# Altium PCB Mother  Board.PcbDoc (part 2 of 4)
Units mil, origin at the board's own origin, x right, y up, seen from the top; angles counter-clockwise.
Board outline 4560 x 3740 mil, 4 copper layers (Signal 1, GND, Power, Signal 2), stack 47.091 mil thick; 315 components, 464 nets, 1661 pads, 728 vias.
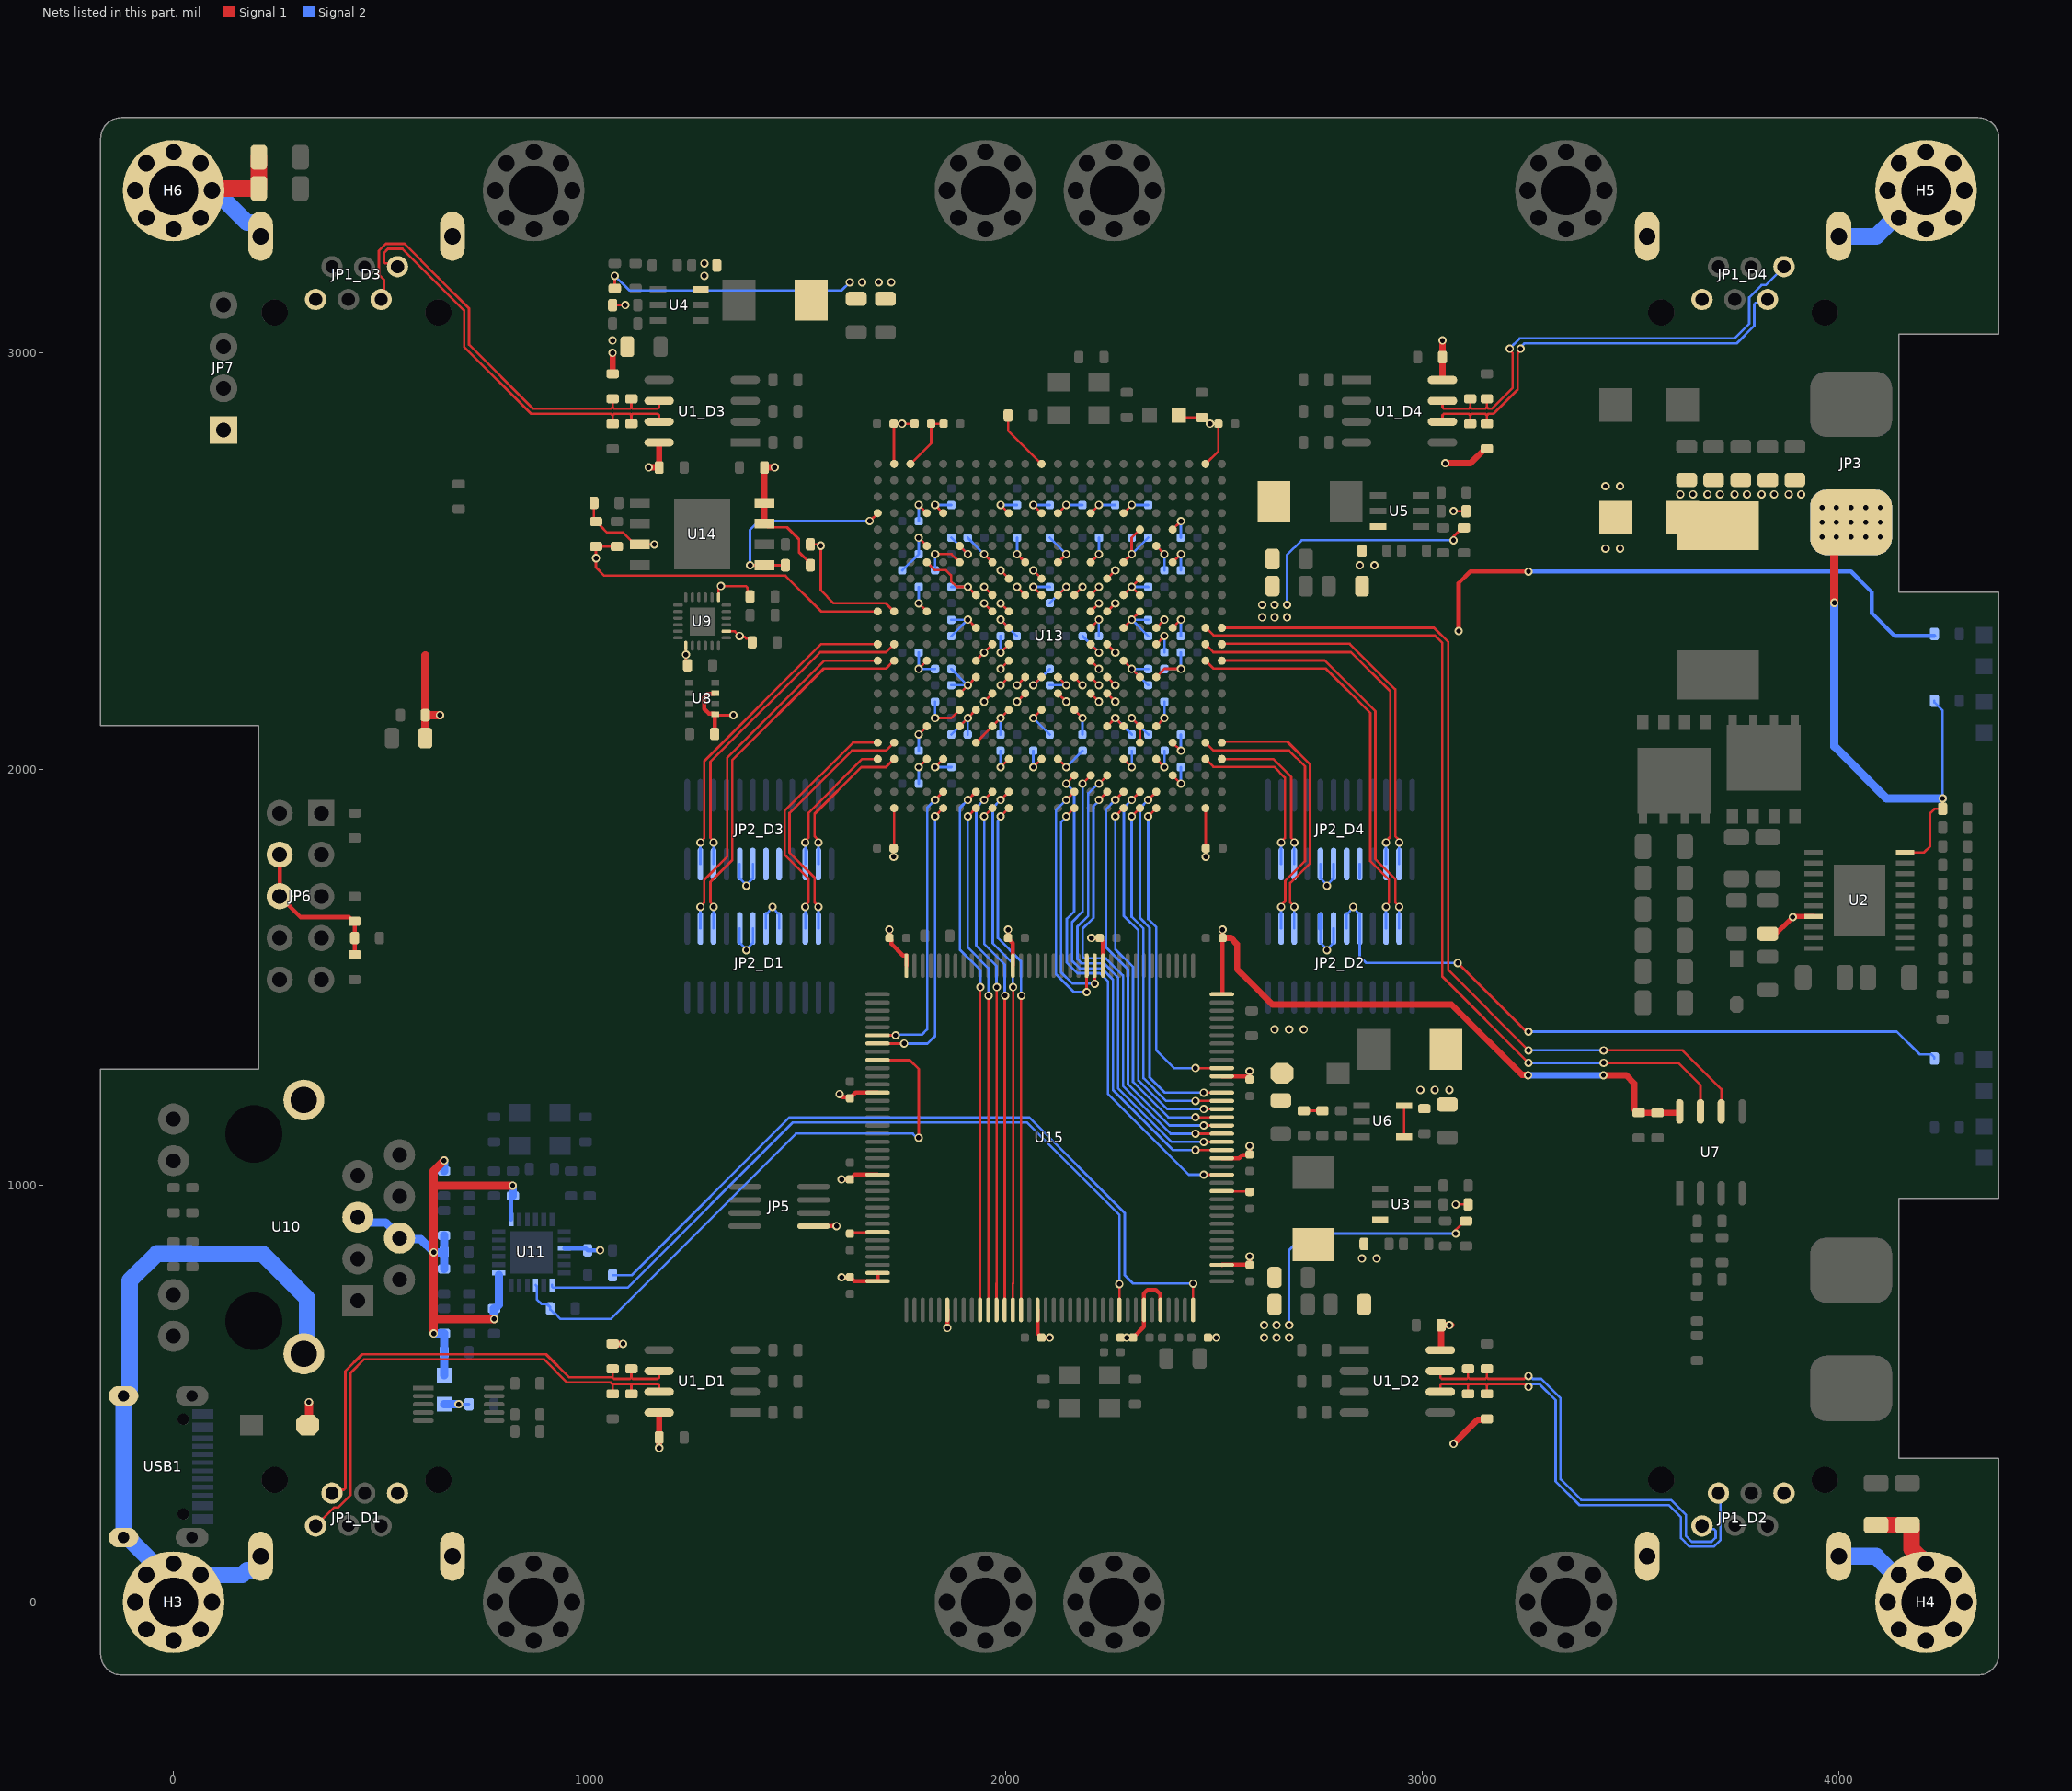
[diagram p4: the nets of this part, all layers, seen from the top]

## Part data
C1_D1 C1_D2 C1_D3 C1_D4 C2 C3 C4 C5 C6 C7 C8 C9 C10 C11 C12 C13 C14 C15 C16 C17 C18 C19 C20 C21 C22 C23 C24 C25 C26 C27 C28 C29 C30 C31 C32 C33 C34 C35 C36 C37 C38 C39 C40 C41 C42 C43 C44 C45 C46 C47 C48 C49 C50 C51 C52 C53 C56 C57 C58 C59 C60 C61 C62 C63 C64 C65 C66 C67 C68 C69 C70 C71 C72 C73 C74 C75 C76 C77 C78 C79 C80 C81 C82 C83 C84 C85 C86 C87 C88 C89 C90 C91 C92 C93 C94 C95 C96 C97 C98 C99 C100 C101 C102 C103 C104 C105 C106 C107 C108 C109 C110 C111 C112 C113 C114 C115 C116 C117 C118 C119 C120 C121 C122 C123 C124 C125 C126 C127 C128 C129 C130 C131 C132 C133 C134 C135 C136 C137 C138 C139 C140 C141 C142 C143 C144 C145 C146 C147 C148 C149 CP1 CP2 CP3 CP4 CP5 CP6 CP7 CP8: library part Cap
C54 C55: library part Cap_100nF
D1: "100V 0.2A开关管"
D2 D3: "30V 0.5A"
FB1 FB2: library part FB, "磁珠"
JP1_D1 JP1_D2 JP1_D3 JP1_D4: "IEEE 1394 FireWire接口"
JP2_D1 JP2_D2 JP2_D3 JP2_D4: library part "Header 12PX2", "12*2P接插件", BOM名称=12*2P接插件, 学习资源=www.ooocke.com, 版权归属=源创客
JP5: library part "Header 4PX2", "4*2P接插件", BOM名称=4*2P接插件, 学习资源=www.ooocke.com, 版权归属=源创客
JP6: library part "Header 5PX2", "5*2P接插件", BOM名称=5*2P接插件, 学习资源=www.ooocke.com, 版权归属=源创客
JP7: library part "Header 4P", "4P接插件", BOM名称=4P接插件, 学习资源=www.ooocke.com, 版权归属=源创客
L1 L2 L3 L4 L5: library part L-CDRH, "功率屏蔽电感"
LED1 LED2 LED3 LED4: library part LED-SMD, "贴片LED", BOM名称=贴片LED, 学习资源=www.ooocke.com, 版权归属=源创客
M1 M2: "N沟场效应管"
NT1 NT2: "Single point connection between nets.", LatestRevisionDate=2013-04-21, LatestRevisionNote="Added Alternate PartNumber and Alternate Manufacturer parameters to appropriate components.", MountType=SMT, Publisher="Texas Instruments", SymbolCreator=codlsc, SymbolVersion=2009-07-01
R1_D1 R1_D2 R1_D3 R1_D4 R2_D1 R2_D2 R2_D3 R2_D4 R3_D1 R3_D2 R3_D3 R3_D4 R4_D1 R4_D2 R4_D3 R4_D4 R5_D1 R5_D2 R5_D3 R5_D4 R6_D1 R6_D2 R6_D3 R6_D4 R7 R8 R9 R10 R11 R12 R13 R14 R15 R16 R17 R18 R19 R20 R21 R22 R23 R24 R25 R26 R27 R28 R29 R30 R31 R32 R33 R34 R35 R36 R37 R38 R39 R40 R41 R42 R43 R44 R45 R46 R47 R48 R49 R50 R51 R52 R53 R54 R55 R56 R57 R58 R59 R60 R61 R62 R63 R64 R65 R66 R67 R68 R69 RS1 RS2: library part RES
U1_D1 U1_D2 U1_D3 U1_D4: "485总线芯片"
U2: "No Description Available", Mfr_Name="Texas Instruments", Copyright="Copyright (C) 2021 Ultra Librarian. All rights reserved.", Manufacturer_Part_Number=LM5116MH, RefDes=RefDes, Type=DEV
U3 U4 U5: "4.5-16V输入 DC-DC Buck 芯片"
U6: library part TPS6104x, "Boost DC-DC"
U8: "气压计"
U9: "9轴 加速度 角速度 地磁传感器"
U11: "RMII Ethernet 网口芯片"
U12: "USB to TTL Serial / UART"
U13: "Cyclone IV Family FPGA, 2V Core, 280 I/O Pins, 4 PLLs, 484-Pin FBGA, Speed Grade 8, Commercial Grade", Supplier Part Number 1=EP4CE115F23C8-ND, Code_IPC=BGA100P22X22-484, Code_JEDEC=MS-034-AAJ-1, ComponentLink1Description="Manufacturer Link", ComponentLink1URL=http://www.altera.com/, ComponentLink2Description=Handbook, ComponentLink2URL=http://www.altera.com/literature/hb/cyclone-iv/cyclone4-handbook.pdf, ComponentLink3Description="Pinout Specification", ComponentLink3URL=http://www.altera.com/literature/lit-dp.jsp?category=cyc%204&showspreadsheet=y, ComponentLink4Description="Packaging Specification", ComponentLink4URL=http://www.altera.com/literature/ds/dspkg.pdf, DatasheetVersion="ver1.2, Mar-2010", PackageDescription="484-Ball FineLine Ball Grid Array (FBGA484) - Flip Chip", PackageReference=FBGA484, PackageVersion="ver16.0, Dec-2009", Published=3-May-2010, Publisher="Altium Limited", Supplier 1=Digi-Key
U14: library part M25Pxx, "外置Flash", BOM名称=外置Flash, 学习资源=www.ooocke.com, 版权归属=源创客
U15: "ARM Cortex-M4 32-bit MCU+FPU, 210 DMIPS, 512 kB Flash, 192 kB Internal RAM, 114 I/Os, 144-pin LQFP, -40 to 85 degC, Tray", I/Os (High Current)=114, Manufacturer=STMicroelectronics, Operating Frequency(F) (Processor speed) (MHz)=168, Supplier Part Number 1=497-11903-ND, Supply Voltage(Vcc) max (V)=3.6, Supply Voltage(Vcc) min (V)=1.8, ComponentLink1Description="Manufacturer URL", ComponentLink1URL=http://www.st.com/web/en/home.html, ComponentLink2Description=Datasheet, ComponentLink2URL=http://www.st.com/st-web-ui/static/active/en/resource/technical/document/datasheet/DM00037051.pdf, ComponentLink3Description="Package Specification", ComponentLink3URL=http://www.st.com/st-web-ui/static/active/en/resource/technical/document/datasheet/DM00037051.pdf, Core="ARM Cortex-M4", D/A Converter=2x12-bit, DatasheetVersion="Rev. 4", FLASH Size (Prog) (kB)=512, Internal RAM Size (kB)=192, Mounting Technology="Surface Mount", PackageDescription="144-Pin Low Profile Quad Flat Package, 20 x 20 mm Body, 0.5 mm Pitch", PackageReference=LQFP144, PackageVersion="Rev. 4, 06/2013", Packing=Tray, PartNumber=STM32F407ZET6, Supplier 1=Digi-Key, Supplier 2=Farnell, Supplier 3=Newark, Supplier 4=Newark, Supplier 5=Mouser, Supplier Part Number 2=2215229, Supplier Part Number 3=46W2203, Supplier Part Number 4=87T3795, Supplier Part Number 5=511-STM32F407ZET6
USB1: library part USB-C-16P, BOM_JLCPCB Part Class="Extended Part", BOM_Manufacturer="Shenzhen Kinghelm Elec", BOM_Manufacturer Part=KH-TYPE-C-16P, BOM_Supplier=LCSC, BOM_Supplier Part=C709357, Contributor=LCSC, spicePre=U, spiceSymbolName=KH-TYPE-C-16P
X1 X2: library part XTAL-4, "4脚晶振", BOM名称=4脚晶振, 学习资源=www.ooocke.com, 版权归属=源创客
Y1: library part XTAL-4-Power, "4脚有源晶振"

## Via types
v1: diameter 20, hole 12, Signal 1 to Signal 2, tented both sides, 690 vias
v2: diameter 20, hole 12, Signal 1 to Signal 2, 28 vias
v3: diameter 27.56, hole 27.56, Signal 1 to Signal 2, 10 vias

## Nets (pads, with @x,y where several pads share a name; then routed paths per layer and width w, separated by ;. In a path a pad name is that pad's centre, name@x,y a point inside that pad or via, vN(x,y) a via of type N, cw(c..) or ccw(c..) an arc to the next point about the centre after c; other vN are vias at no path point)
1V2: C21.1 C22.1 C87.2 C88.2 C89.2 C90.2 C91.2 C92.2 C93.2 C94.2 C95.2 C96.2 C97.2 C98.2 C99.2 C100.2 C101.2 C102.2 C104.2 C105.2 C106.2 C107.2 C108.2 C109.2 C110.2 C111.2 C112.2 C113.2 C114.2 C115.2 C117.2 C118.2 C119.2 C147.2 L4.1 R19.2 U13.E17 U13.F6 U13.G4 U13.G8 U13.G10 U13.G12 U13.G14 U13.G16 U13.H9 U13.H11 U13.H15 U13.H17 U13.J7 U13.J8 U13.J10 U13.J11 U13.J12 U13.J13 U13.J14 U13.J16 U13.J17 U13.K8 U13.K9 U13.K14 U13.K15 U13.K17 U13.L7 U13.L9 U13.L14 U13.L16 U13.M8 U13.M9 U13.M14 U13.M15 U13.N7 U13.N9 U13.N14 U13.N16 U13.P7 U13.P9 U13.P10 U13.P11 U13.P12 U13.P13 U13.P14 U13.P15 U13.P17 U13.R6 U13.R8 U13.R10 U13.R12 U13.R14 U13.R15 U13.T7 U13.T9 U13.T11 U13.T13 U13.U6 U13.U8 U13.U15 U13.U16 U13.U17 U13.V7 U13.V17 | length 4070.5
  Signal 1 w6: U13.G4@1809.72,2497.17 1828.57,2478.32 1855.21,2478.32 1867.94,2465.6 1867.94,2451.68 1881.5,2438.11 v1(1908.15,2438.11) U13.J7@1927.83,2418.43 ; U13.U6@1888.46,2103.46 v1(1908.15,2123.15) U13.T7@1927.83,2142.83 ; U13.R6@1888.46,2182.2 v1(1908.15,2201.89) U13.P7@1927.83,2221.57 ; U13.F6@1888.46,2536.54 v1(1908.15,2516.85) ; v1(1908.15,2359.37) U13.L7@1927.83,2339.69 ; U13.V7@1927.83,2064.09 U13.U8@1967.2,2103.46 v1(1986.89,2123.15) U13.T9@2006.57,2142.83 ; U13.N7@1927.83,2260.94 v1(1947.52,2280.63) U13.M8@1967.2,2300.32 ; v1(1947.52,2162.52) U13.R8@1967.2,2182.2 ; v1(1947.52,2398.74) U13.K8@1967.2,2379.06 ; v1(1947.52,2438.11) U13.J8@1967.2,2418.43 ; v1(1947.52,2516.85) U13.G8@1967.2,2497.17 ; v1(1986.89,2201.89) U13.P9@2006.57,2221.57 ; v1(1986.89,2241.26) U13.N9@2006.57,2260.94 ; v1(1986.89,2280.63) U13.M9@2006.57,2300.32 ; v1(1986.89,2359.37) U13.L9@2006.57,2339.69 ; v1(1986.89,2398.74) U13.K9@2006.57,2379.06 ; v1(1986.89,2477.48) U13.H9@2006.57,2457.8 ; v1(2026.26,2162.52) U13.R10@2045.94,2182.2 ; v1(2026.26,2201.89) U13.P10@2045.94,2221.57 ; v1(2026.26,2438.11) U13.J10@2045.94,2418.43 ; v1(2026.26,2516.85) U13.G10@2045.94,2497.17 ; v1(2065.63,2123.15) U13.T11@2085.31,2142.83 ; v1(2065.63,2201.89) U13.P11@2085.31,2221.57 ; v1(2065.63,2438.11) U13.J11@2085.31,2418.43 ; v1(2065.63,2477.48) U13.H11@2085.31,2457.8 ; U13.R12@2124.69,2182.2 v1(2144.37,2162.52) ; U13.P12@2124.69,2221.57 v1(2144.37,2201.89) ; U13.J12@2124.69,2418.43 v1(2144.37,2438.11) ; U13.G12@2124.69,2497.17 v1(2144.37,2516.85) ; U13.T13@2164.06,2142.83 v1(2183.74,2123.15) ; U13.P13@2164.06,2221.57 v1(2183.74,2201.89) ; U13.J13@2164.06,2418.43 v1(2183.74,2438.11) ; U13.R14@2203.43,2182.2 v1(2223.11,2162.52) ; U13.P14@2203.43,2221.57 v1(2223.11,2201.89) ; U13.N14@2203.43,2260.94 v1(2223.11,2241.26) ; U13.M14@2203.43,2300.32 v1(2223.11,2280.63) ; U13.L14@2203.43,2339.69 v1(2223.11,2359.37) ; U13.K14@2203.43,2379.06 v1(2223.11,2398.74) ; U13.J14@2203.43,2418.43 v1(2223.11,2438.11) ; U13.G14@2203.43,2497.17 v1(2223.11,2516.85) ; U13.U15@2242.8,2103.46 v1(2262.48,2123.15) U13.U16@2282.17,2103.46 ; U13.R15@2242.8,2182.2 v1(2262.48,2162.52) ; U13.P15@2242.8,2221.57 v1(2262.48,2201.89) ; U13.M15@2242.8,2300.32 v1(2262.48,2280.63) ; U13.K15@2242.8,2379.06 v1(2262.48,2398.74) ; U13.H15@2242.8,2457.8 v1(2262.48,2477.48) ; U13.N16@2282.17,2260.94 v1(2301.85,2241.26) U13.P17@2321.54,2221.57 ; U13.L16@2282.17,2339.69 v1(2301.85,2359.37) U13.K17@2321.54,2379.06 ; U13.J16@2282.17,2418.43 v1(2301.85,2438.11) ; U13.G16@2282.17,2497.17 v1(2301.85,2516.85) 2301.85,2556.22 U13.E17@2321.54,2575.91 ; v1(2301.85,2123.15) U13.U17@2321.54,2103.46 U13.V17@2321.54,2064.09 ; U13.J17@2321.54,2418.43 v1(2301.85,2438.11) ; U13.H17@2321.54,2457.8 v1(2301.85,2438.11) ; v1(3075,2550) 3075,2559 3096,2580 R19.2@3100,2580
  Signal 2 w6: C100.2@1868.46,2083.46 v1@1907.99,2122.99 ; C104.2@1868.46,2202.2 1868.62,2202.05 v1@1907.68,2202.05 ; C91.2@1868.46,2240.94 1868.78,2240.94 v1@1907.68,2202.05 ; C110.2@1868.46,2320 1868.62,2320 v1@1907.83,2359.21 ; C147.2@1868.46,2359.06 1868.62,2359.21 v1@1907.83,2359.21 ; C87.2@1868.46,2437.8 1868.62,2437.95 1907.99,2437.95 v1(1908.15,2438.11) ; C99.2@1868.46,2556.54 v1(1908.15,2516.85) v1@1907.99,2516.69 ; C111.2@1907.83,2083.46 1907.99,2083.62 v1@1907.99,2122.99 ; C102.2@1907.83,2556.54 v1(1947.52,2516.85) ; v1(1908.15,2123.15) v1@1907.99,2122.99 ; v1(1908.15,2201.89) 1907.83,2201.89 v1@1907.68,2202.05 ; v1(1908.15,2359.37) 1907.99,2359.21 v1@1907.83,2359.21 ; C105.2@1986.57,2083.46 1986.73,2083.62 1986.73,2122.99 v1(1986.89,2123.15) ; v1@1986.89,2280.79 v1(1986.89,2280.63) 1987.05,2280.79 1987.05,2319.84 C107.2@1987.2,2320 C107.2@1987.05,2320.16 ; v1@1987.05,2359.21 v1(1986.89,2359.37) 1986.89,2359.21 2025.94,2320.16 C109.2@2025.94,2320 C109.2@2025.94,2319.84 ; v1(2026.26,2516.85) 2026.42,2517.01 2026.42,2556.38 C92.2@2026.57,2556.54 ; v1(2065.63,2123.15) 2065.63,2122.99 2105,2083.62 C108.2@2105,2083.46 ; v1(2065.63,2201.89) 2065.79,2201.89 2104.84,2240.94 C114.2@2105,2240.94 ; v1(2065.63,2438.11) 2065.79,2437.95 2104.84,2437.95 C115.2@2105,2437.8 ; C106.2@2105,2202.2 2105.16,2202.05 2144.21,2202.05 v1(2144.37,2201.89) ; C118.2@2105,2399.06 2105.16,2399.06 2144.21,2438.11 v1(2144.37,2438.11) ; C117.2@2105,2556.54 2105,2556.38 2144.37,2517.01 v1(2144.37,2516.85) ; C94.2@2183.43,2083.46 2183.58,2083.62 2183.58,2122.99 v1(2183.74,2123.15) ; C113.2@2184.06,2320 2184.06,2319.84 2223.11,2280.79 v1(2223.11,2280.63) ; C112.2@2222.8,2320 2222.95,2320.16 2222.95,2359.21 v1(2223.11,2359.37) ; v1(2223.11,2516.85) 2223.27,2517.01 2223.27,2556.38 C90.2@2223.43,2556.54 ; v1(2262.48,2123.15) C93.2@2302.17,2083.46 ; v1(2301.85,2241.26) 2302.48,2241.26 v1@2302.64,2241.1 ; v1(2301.85,2359.37) 2302.01,2359.21 v1@2302.17,2359.21 ; v1(2301.85,2438.11) 2302.01,2437.95 2341.38,2437.95 C95.2@2341.54,2437.8 ; v1@2302.01,2123.31 v1(2301.85,2123.15) C89.2@2341.54,2083.46 C89.2@2341.69,2083.62 ; v1@2302.01,2516.69 v1(2301.85,2516.85) v1@2302.01,2517.01 ; C88.2@2302.17,2556.54 2302.01,2556.38 v1@2302.01,2517.01 ; C96.2@2341.54,2240.94 2341.38,2241.1 v1@2302.64,2241.1 ; C119.2@2341.54,2320 2341.38,2320 v1@2302.17,2359.21 ; C97.2@2341.54,2359.06 2341.38,2359.21 v1@2302.17,2359.21 ; C98.2@2341.54,2556.54 v1@2302.01,2517.01 ; C101.2@2341.69,2202.05 v1@2302.64,2241.1 ; v1(2675,2395) 2675,2515 2710,2550 v1(3075,2550)
  other v1: 2615,2365 2645,2365 2675,2365 2615,2395 2645,2395
2V5: C19.1 C20.1 C122.2 C123.2 C124.2 C125.2 L3.1 R18.2 U13.F18 U13.G6 U13.L18 U13.T6 U13.U18 | length 991.1
  Signal 1 w6: R18.2@1060,3155 v1(1060,3185) ; v1(1829.41,2123.15) 1868.78,2123.15 U13.T6@1888.46,2142.83 ; v1(1829.41,2516.85) 1868.78,2516.85 U13.G6@1888.46,2497.17 ; U13.U18@2360.91,2103.46 v1(2380.59,2123.15) ; U13.L18@2360.91,2339.69 v1(2380.59,2359.37) ; U13.F18@2360.91,2536.54 v1(2380.59,2516.85)
  Signal 2 w6: v1(1060,3185) 1095,3150 1604.43,3150 v1(1624.21,3169.78) ; v1(1829.41,2123.15) C124.2@1829.41,2162.2 ; C125.2@1829.41,2477.8 v1(1829.41,2516.85) ; v1(2380.59,2123.15) C123.2@2380.59,2162.2 ; C122.2@2380.59,2477.8 v1(2380.59,2516.85)
  other v1: 1654.21,3169.78 1694.21,3169.78 1724.21,3169.78
3V3: C17.1 C18.1 C34.1 C35.1 C36.2 C37.2 C38.2 C39.2 C46.2 C58.2 C59.2 C60.2 C61.2 C62.2 C63.2 C64.2 C65.2 C66.2 C67.2 C68.2 C69.2 C70.2 C71.2 C72.2 C73.2 C74.2 C75.2 C76.2 C77.2 C78.2 C79.2 C80.2 C81.2 C82.2 C83.2 C84.2 C85.2 C86.2 C103.1 C120.1 C126.1 C127.1 C128.1 C129.1 C130.1 C131.1 C132.1 C133.1 C134.1 C135.1 C136.1 C137.1 C145.1 C146.1 C149.1 FB1.1 FB2.1 JP2_D1.9 JP2_D1.11 JP2_D2.9 JP2_D2.11 JP2_D3.9 JP2_D3.11 JP2_D4.9 JP2_D4.11 JP5.1 JP6.4 JP6.6 JP7.1 L2.1 R17.2 R45.1 R47.1 R48.1 R49.2 R50.1 R51.1 R54.2 R55.2 R56.2 R59.2 R62.1 R69.1 U7.8 U8.6 U8.8 U9.1 U9.8 U9.13 U11.9 U13.A2 U13.A21 U13.AB2 U13.AB21 U13.D4 U13.D5 U13.D9 U13.D11 U13.D12 U13.D14 U13.D16 U13.E19 U13.F4 U13.G19 U13.K4 U13.L19 U13.N4 U13.P18 U13.U4 U13.V19 U13.W4 U13.W5 U13.W9 U13.W11 U13.W12 U13.W16 U13.W18 U13.Y19 U14.3 U14.7 U14.8 U15.6 U15.17 U15.30 U15.32 U15.39 U15.52 U15.62 U15.72 U15.84 U15.95 U15.108 U15.121 U15.131 U15.143 U15.144 | length 9260.1
  Signal 1 w6: R48.1@1010,2640 1010,2600 R47.1@1015,2595 1017.65,2595 1025.46,2587.19 1025.46,2584.54 1041.32,2568.68 1079.92,2568.68 1108.59,2540 U14.3@1120.4,2540 v1(1155,2540) v1@1160,2540 ; U9.1@1230.63,2296.93 1230.99,2296.57 v1(1230.99,2275.29) 1230.99,2254.01 C36.2@1235,2250 ; U8.8@1300.75,2131.57 1302.32,2130 v1(1345,2130) ; U9.13@1309.37,2413.07 1309.37,2434.37 v1(1315,2440) 1375,2440 1378.54,2436.46 1378.54,2421.46 C38.2@1385,2415 ; U9.8@1328.07,2331.38 1348.62,2331.38 1362.43,2317.57 1372.43,2317.57 1375.75,2314.25 1382.19,2314.25 1385,2311.44 C39.2@1385,2305 ; U14.7@1419.6,2590 1428.42,2581.19 1473.81,2581.19 1502.52,2552.48 1502.52,2521.48 1530,2494 R49.2@1530,2490 ; v1(1730,1790) C71.2@1730,1810 1730.98,1810.98 U13.AB2@1730.98,1906.61 ; U13.A2@1730.98,2733.39 1730.49,2733.88 1730.49,2829.51 C64.2@1730,2830 v1(1750,2830) R45.1@1780,2830 ; v1(1790.04,2005.04) U13.W4@1809.72,2024.72 ; v1(1790.04,2083.78) U13.U4@1809.72,2103.46 ; v1(1790.04,2241.26) U13.N4@1809.72,2260.94 ; v1(1790.04,2398.74) U13.K4@1809.72,2379.06 ; v1(1790.04,2556.22) U13.F4@1809.72,2536.54 ; v1(1790.04,2634.96) U13.D4@1809.72,2615.28 ; v1(1829.41,2005.04) U13.W5@1849.09,2024.72 ; v1(1829.41,2634.96) U13.D5@1849.09,2615.28 ; v1(1986.89,2005.04) U13.W9@2006.57,2024.72 ; v1(1986.89,2634.96) U13.D9@2006.57,2615.28 ; v1(2065.63,2005.04) U13.W11@2085.31,2024.72 ; v1(2065.63,2634.96) U13.D11@2085.31,2615.28 ; U13.W12@2124.69,2024.72 v1(2144.37,2005.04) ; U13.D12@2124.69,2615.28 v1(2144.37,2634.96) ; U13.D14@2203.43,2615.28 v1(2223.11,2634.96) ; U13.W16@2282.17,2024.72 v1(2301.85,2005.04) ; U13.D16@2282.17,2615.28 v1(2301.85,2634.96) ; U13.W18@2360.91,2024.72 v1(2380.59,2005.04) ; U13.P18@2360.91,2221.57 2380.59,2241.26 v1(2419.96,2241.26) ; U13.Y19@2400.28,1985.35 v1(2419.96,1965.67) ; U13.V19@2400.28,2064.09 v1(2419.96,2044.41) ; U13.L19@2400.28,2339.69 v1(2419.96,2359.37) ; U13.G19@2400.28,2497.17 v1(2419.96,2516.85) ; U13.E19@2400.28,2575.91 v1(2419.96,2595.59) ; FB2.1@2415,2850 2420,2845 C120.1@2470,2845 2474.5,2845 2489.5,2830 v1(2490,2830) C70.2@2510,2830 2510,2764.37 U13.A21@2479.02,2733.39 ; U13.AB21@2479.02,1906.61 2479.51,1906.12 2479.51,1810.49 C72.2@2480,1810 v1(2480,1790) ; R59.2@2485,635 v1(2505,635) ; U15.72@2518.31,1459.49 U15.72@2520,1461.17 ; v1(3080,885) 3080,894 3101,915 R17.2@3105,915
  Signal 1 w10: JP6.4@255,1795 JP6.6@255,1695 305,1645 422.35,1645 432.35,1635 R50.1@435,1635 C86.2@435,1595 R51.1@435,1555 ; C37.2@1300,2085 1300.75,2085.75 1300.75,2131.57 U8.8@1301.5,2132.32 1299.61,2134.21 1285.79,2134.21 1275,2145 1275,2175 1280.91,2180.91 1299.61,2180.91 U8.6@1301.5,2182.8 ; JP5.1@1537.68,902.76 v1(1592.76,902.76) ; v1(1600,1220) 1608,1212 1623,1212 C133.1@1625,1210 1638.27,1223.27 U15.121@1691.54,1223.27 ; v1(1605,780) C131.1@1625,780 ; v1(1605,1015) C132.1@1625,1015 1636.42,1026.42 U15.131@1691.54,1026.42 ; C131.1@1626.08,780 1635.57,770.51 U15.144@1691.54,770.51 U15.143@1691.54,790.2 ; v1(1720,1615) C137.1@1720,1595 1725,1590 1725,1580 1752.09,1552.91 1760.36,1552.91 1760.44,1552.83 U15.108@1760.44,1528.39 ; v1(1858.87,658.31) U15.6@1858.87,701.61 ; v1(2005,1615) C134.1@2005,1595 2005,1593.92 2016.35,1582.57 U15.95@2016.35,1528.39 ; U15.17@2075.4,701.61 2075.4,645.68 2085,636.08 C129.1@2085,635 v1(2105,635) ; v1(2205,1595) C127.1@2225,1595 2225,1593.92 2232.88,1586.04 U15.84@2232.88,1528.39 ; R62.1@2275,635 v1(2290,635) C126.1@2305,635 2331.31,661.31 U15.30@2331.31,701.61 2331.31,741.31 2340,750 2360.01,750 2370.68,739.33 U15.32@2370.68,701.61 ; U15.39@2518.31,809.88 2518.37,809.94 2584.94,809.94 C135.1@2585,810 v1(2585,830) ; U15.52@2518.31,1065.79 2559.82,1065.79 2567.88,1073.84 2583.84,1073.84 C136.1@2585,1075 v1(2585,1095) ; U15.62@2518.31,1262.64 2576.28,1262.64 2583.01,1255.91 C128.1@2583.01,1253.01 ; U15.72@2520,1461.17 C130.1@2520,1595 v1(2520,1615) ; C128.1@2585,1255 v1(2585,1275) ; v2(3087.07,2332.07) 3087.07,2447.07 3115,2475 v2(3255,2475)
  Signal 1 w15: U14.7@1419.6,2590 U14.8@1419.6,2640 C103.1@1419.6,2725 v1(1444.21,2725) ; C130.1@2520,1595 2540,1595 2555,1580 2555,1520 2585,1490 2640,1435 3070,1435 3239.04,1265.96 3253.41,1265.96 v1(3254.37,1265) ; v1(3435,1265) 3490,1265 3509.54,1245.46 3509.54,1182.81 3517.35,1175 C34.1@3520,1175 C35.1@3565,1175 3614.84,1175 U7.8@3618.27,1178.43
  Signal 1 w20: C145.1@605,2075 C146.1@605,2130 ; 605.2,2273.35 605,2273.15 C146.1@605,2130 ; v1(640,2130) C146.1@605,2130
  Signal 2 w6: v1@685.19,475 C46.2@710,475 ; U11.9@938.74,849.84 963.55,849.84 ; JP2_D1.9@1360.26,1617.68 1360.26,1583.36 v1@1376,1567.61 ; v1(1376,1565.77) v1@1376,1567.61 ; JP2_D1.11@1391.75,1617.68 1391.75,1583.36 v1@1376,1567.61 ; R55.2@1750.35,2477.8 1750.83,2477.8 1789.88,2516.85 C63.2@1790.35,2516.85 1790.2,2517.01 1790.2,2556.06 v1(1790.04,2556.22) ; v1(1790.04,2083.78) 1790.2,2083.62 1790.2,2044.57 C61.2@1790.35,2044.41 ; v1(1790.04,2398.74) 1790.2,2398.9 1790.2,2437.64 C66.2@1790.35,2437.8 ; v1(1790.04,2634.96) 1790.2,2634.8 1790.2,2595.75 C60.2@1790.35,2595.59 ; v1@1790.2,2005.2 v1(1790.04,2005.04) 1790.2,2004.88 1790.2,1965.51 C59.2@1790.35,1965.35 ; C74.2@1790.35,2280.63 1790.2,2280.47 1790.2,2241.42 v1(1790.04,2241.26) 1790.2,2241.1 1829.25,2241.1 R56.2@1829.41,2240.94 ; v1(1829.41,2005.04) 1829.57,2005.2 1868.62,2005.2 C81.2@1868.78,2005.35 ; v1(1829.41,2634.96) 1829.57,2634.8 1868.31,2634.8 C62.2@1868.46,2634.65 ; C83.2@1986.57,2044.41 1986.73,2044.25 1986.73,2005.2 v1(1986.89,2005.04) v1@1987.05,2005.2 ; v1(1986.89,2634.96) 1987.05,2634.8 2026.1,2634.8 C69.2@2026.26,2634.65 ; C85.2@2065.31,2044.41 2065.47,2044.25 2065.47,2005.2 v1(2065.63,2005.04) v1@2065.79,2005.2 ; v1(2065.63,2634.96) 2065.79,2634.8 2104.84,2634.8 C75.2@2105,2634.65 ; v1(2144.37,2634.96) 2144.53,2634.8 2183.27,2634.8 C67.2@2183.43,2634.65 ; v1@2144.53,2005.2 v1(2144.37,2005.04) 2144.69,2005.04 C68.2@2184.06,2044.41 ; v1(2223.11,2634.96) 2223.27,2634.8 2262.01,2634.8 C73.2@2262.17,2634.65 ; v1@2301.69,2005.2 v1(2301.85,2005.04) 2302.01,2005.2 2302.01,2044.25 C82.2@2302.17,2044.41 ; v1(2301.85,2634.96) 2302.01,2634.8 2341.38,2634.8 C65.2@2341.54,2634.65 ; v1@2380.43,2005.2 v1(2380.59,2005.04) 2380.75,2005.2 2380.75,2044.25 C80.2@2380.91,2044.41 ; R54.2@2380.59,2240.94 2380.75,2241.1 2419.8,2241.1 v1(2419.96,2241.26) 2419.8,2241.42 2419.8,2280.79 C58.2@2419.65,2280.94 ; C77.2@2419.65,2005.04 2419.8,2004.88 2419.8,1965.83 v1(2419.96,1965.67) ; C78.2@2419.65,2083.46 2419.8,2083.31 2419.8,2044.57 v1(2419.96,2044.41) ; C76.2@2419.65,2320 2419.8,2320.16 2419.8,2359.21 v1(2419.96,2359.37) ; C79.2@2419.65,2477.8 2419.8,2477.95 2419.8,2516.69 v1(2419.96,2516.85) ; C84.2@2419.65,2556.54 2419.8,2556.69 2419.8,2595.43 v1(2419.96,2595.59) ; v1(2680,665) 2680,845 2720,885 v1@3075,885 ; JP2_D2.9@2755.26,1617.68 2755.26,1583.36 v1@2771,1567.61 ; v1(2771,1565.77) v1@2771,1567.61 ; JP2_D2.11@2786.75,1617.68 2786.75,1583.36 v1@2771,1567.61 ; JP2_D4.9@2849.74,1738 JP2_D4.9@2849.74,1772.32